# Altium PCB Thermostat_8CH.PCBDOC (part 10 of 10)
Units mil, origin at the board's own origin, x right, y up, seen from the top; angles counter-clockwise.
Board outline 8409.08 x 3937.01 mil, 4 copper layers (TOP, G1, L2, BOT), stack 61.024 mil thick; 941 components, 513 nets, 2912 pads, 1409 vias.
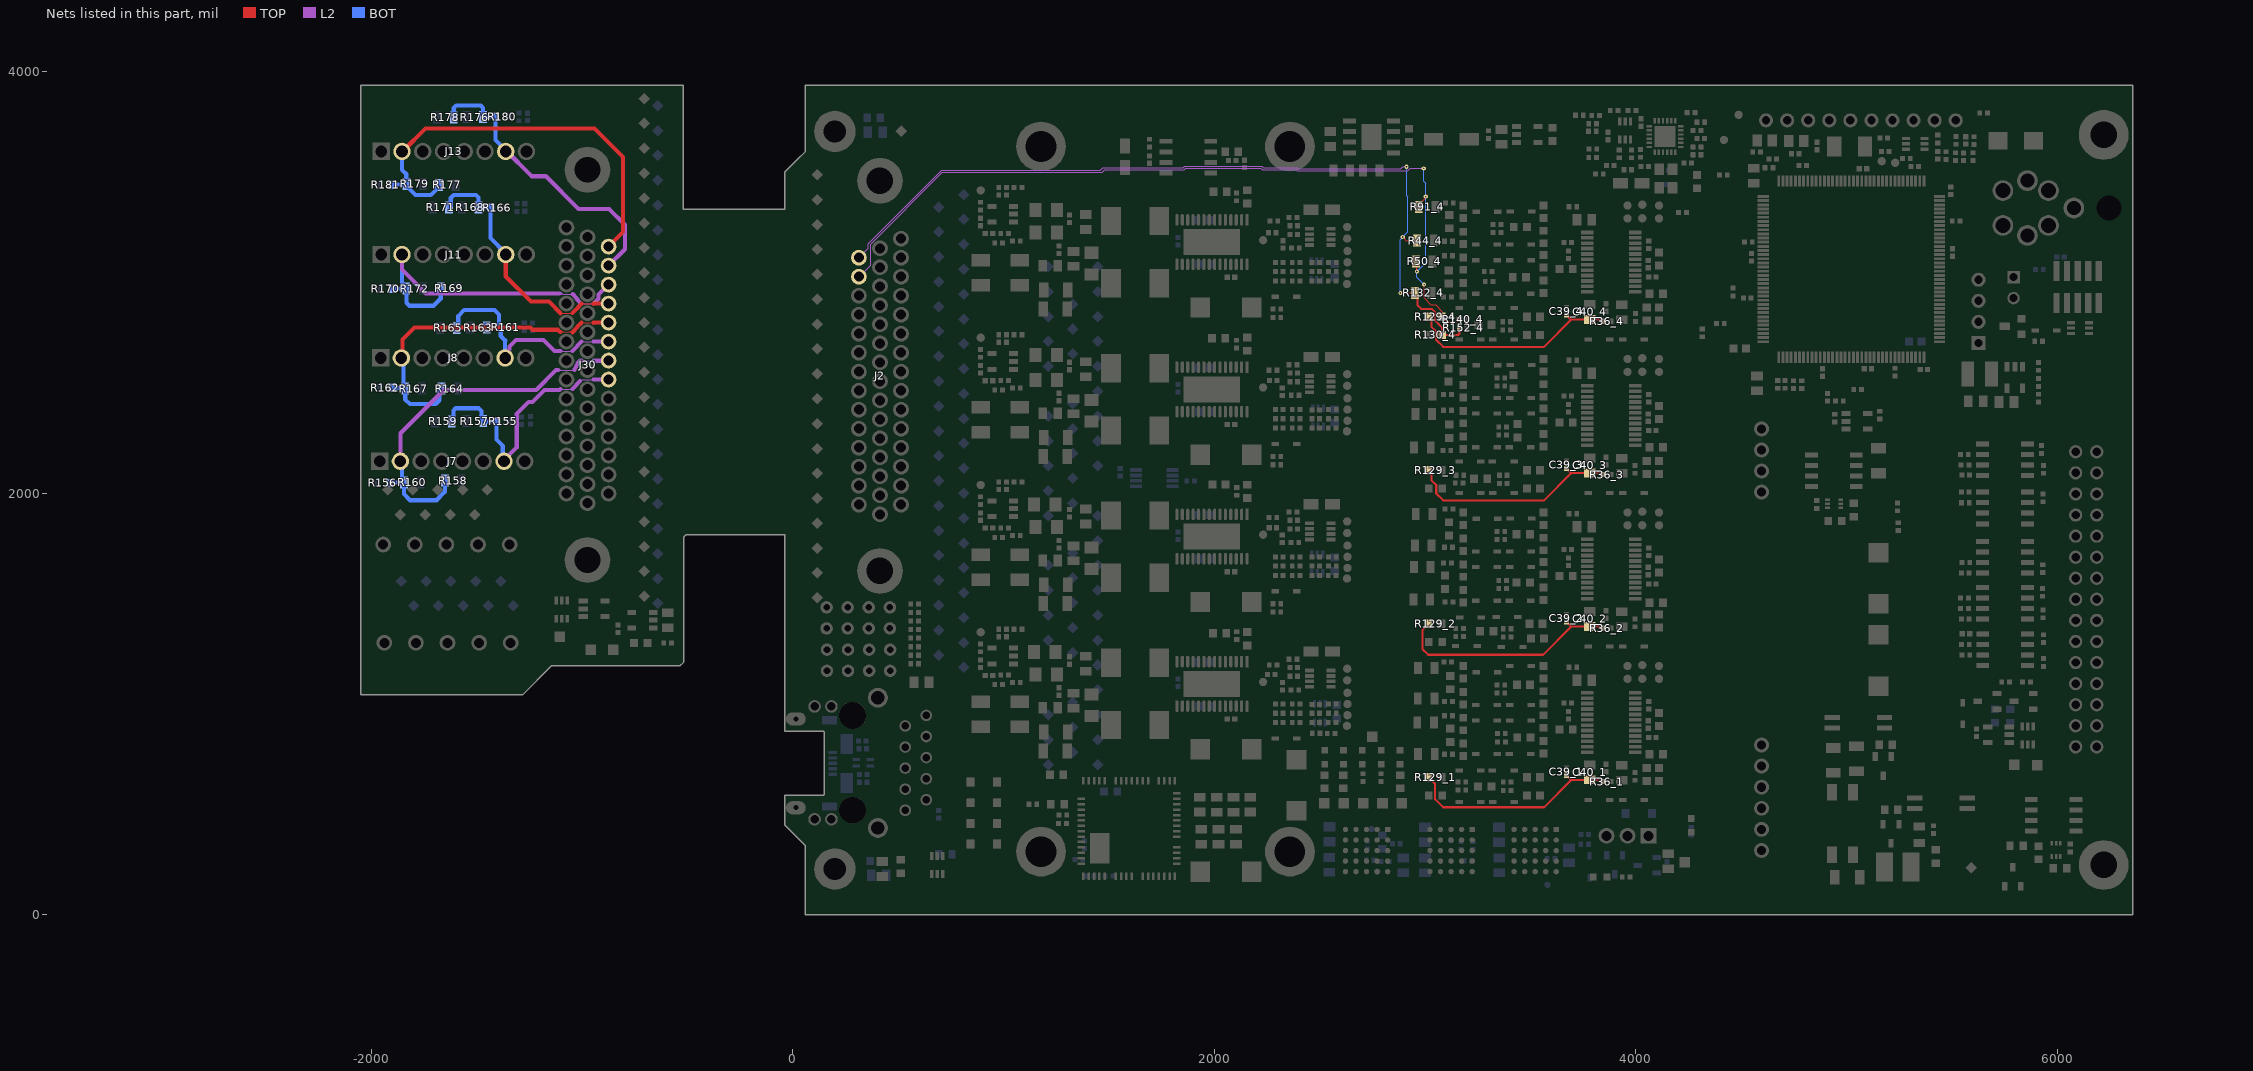
[diagram p12: the nets of this part, all layers, seen from the top]

## Via types
v1: diameter 19.68, hole 7.87, TOP to BOT, tented both sides, 1030 vias
v2: diameter 27.56, hole 15.75, TOP to BOT, tented both sides, 191 vias
v3: diameter 23.62, hole 11.81, TOP to BOT, tented both sides, 97 vias
v4: diameter 23.62, hole 11.81, TOP to BOT, 81 vias
v5: diameter 25.98, hole 12.99, TOP to BOT, tented both sides, 10 vias

## Nets (pads, with @x,y where several pads share a name; then routed paths per layer and width w, separated by ;. In a path a pad name is that pad's centre, name@x,y a point inside that pad or via, vN(x,y) a via of type N, cw(c..) or ccw(c..) an arc to the next point about the centre after c; other vN are vias at no path point) (continued)
Vref3+: J2.43 R50_4.2 R91_4.2 R129_4.1 R140_4.1 | length 3987.5
  TOP w5: R50_4.2@2955.94,3100.15 2961.14,3094.96 v1(2961.14,3052.14) ; 2963.82,3070.35 R50_4.2@2963.82,3100.15 ; R91_4.2@2970.12,3359.6 2970.12,3369.44 3000.19,3399.51 3000.19,3405.19 v1(3003,3408) ; v1(2995.31,2990.44) 2995.31,2927.5 3027.97,2894.85 3049.98,2894.85 3079.82,2865 3079.82,2835.85 3101.48,2814.2 3150.16,2814.2 3160.2,2824.23 R140_4.1@3160.2,2825.02
  L2 w5: J2.43@313,3027.84 368.1,3082.94 368.1,3181.01 709.73,3522.64 1468.54,3522.64 1480.47,3534.56 1857.22,3534.56 1864.43,3541.77 2220.63,3541.77 2227.84,3534.56 2389.18,3534.56 2393.86,3529.88 2916.75,3529.88 2928.96,3542.09 v1(2993.43,3542.09)
  BOT w5: v1(2993.43,3542.09) 2993.43,3479.91 3003,3470.33 3003,3413.4 v1@2998.57,3408.97 ; v1(2995.31,2990.44) 2961.14,3024.61 v1(2961.14,3052.14) 3003,3094 v1(3003,3408)
Vref3-: J2.44 R44_4.2 R130_4.1 R132_4.2 R152_4.1 | length 3961.8
  TOP w5: v1(2882.63,2950.57) R132_4.2@2951.31,2950.62 ; v1(2893.73,3216.53) 2911.54,3198.72 R44_4.2@2970.28,3198.72
  TOP w10: R132_4.2@2951.31,2950.62 2963.16,2938.77 2963.16,2893.78 2981.56,2875.38 3030.81,2875.38 3047.76,2858.43 3047.76,2818.34 3063.98,2802.11 3064.56,2802.11 3080.78,2785.89 R130_4.1@3080.78,2751.2 3156.16,2751.2 3162.29,2757.33 R152_4.1@3162.29,2784.53
  L2 w5: J2.44@313,3118 358.1,3163.1 358.1,3185.15 705.59,3532.64 1459.04,3532.64 1470.97,3544.56 1853.08,3544.56 1860.28,3551.77 2224.77,3551.77 2231.98,3544.56 2393.32,3544.56 2398.01,3539.88 2883.33,3539.88 2892.85,3549.41 v1(2911.75,3549.41)
  BOT w5: v1(2882.63,2950.57) 2882.63,3203.1 2893.73,3214.2 v1(2893.73,3216.53) 2917.34,3240.14 2917.34,3406.18 2911.75,3411.77 v1(2911.75,3549.41)
VREF_5V0_1: C39_1.1 C40_1.1 R36_1.1 R129_1.2 | length 1020
  TOP w10: R129_1.2@3016.83,652.78 3016.83,650.81 3047.36,620.28 3047.36,548.04 3085.4,510 3564.84,510 3692.5,637.67 3692.5,639.98 ; C39_1.1@3670.85,661.64 3692.5,639.98 ; R36_1.1@3844.51,631.71 3844.51,632.5 3837.02,639.98 3692.5,639.98
VREF_5V0_2: C39_2.1 C40_2.1 R36_2.1 R129_2.2 | length 1092.6
  TOP w10: R129_2.2@3016.83,1381.12 3016.83,1379.16 2987.23,1349.55 2987.23,1260.76 3014.15,1233.84 3560.34,1233.84 3692.5,1366.01 3692.5,1368.33 ; C39_2.1@3670.85,1389.98 3692.5,1368.33 ; R36_2.1@3844.51,1360.06 3844.51,1360.85 3837.02,1368.33 3692.5,1368.33
VREF_5V0_3: C39_3.1 C40_3.1 R36_3.1 R129_3.2 | length 1020.9
  TOP w10: R129_3.2@3016.17,2110.13 3029.55,2096.75 3029.55,2062.64 3053.07,2039.13 3053.07,1999.03 3085.4,1966.69 3564.84,1966.69 3692.5,2094.36 3692.5,2096.68 ; C39_3.1@3670.85,2118.33 3692.5,2096.68 ; R36_3.1@3844.51,2088.41 3844.51,2089.19 3837.02,2096.68 3692.5,2096.68
VREF_5V0_4: C39_4.1 C40_4.1 R36_4.1 R129_4.2 | length 1020
  TOP w10: R129_4.2@3016.83,2837.82 3029.55,2825.1 3029.55,2790.99 3053.07,2767.47 3053.07,2727.38 3085.4,2695.04 3564.84,2695.04 3692.5,2822.71 3692.5,2825.02 ; C39_4.1@3670.85,2846.67 3692.5,2825.02 ; R36_4.1@3844.51,2816.75 3844.51,2817.54 3837.02,2825.02 3692.5,2825.02
Vrefb0+: J7.7 J30.37 R155.1 R157.2 R159.2 | length 1259.4
  L2 w5: -1102.72,2494.56 -1046.5,2494.56 ; -1009.94,2532.71 -1002.98,2539.67 -981.26,2539.67 ccw(c-974.82,2584.1) -968.37,2539.67 -946.92,2539.67
  L2 w19.68: J7.7@-1371,2157.96 -1310.93,2218.03 -1310.93,2377.02 -1253.94,2434.01 -1236.3,2434.01 -1179.31,2491 -1107.24,2491 -1103.19,2495.04 ; -1046.5,2494.56 -1046.06,2494.56 -1027.06,2513.56 -1027.06,2515.58 -1009.94,2532.71 ; -946.92,2539.93 -946.68,2539.69 -891.7,2539.69 J30.37@-874.82,2539.69
  BOT w19.68: R159.2@-1619,2341 -1610.14,2349.86 -1610.14,2393.65 -1600,2403.79 -1492.13,2403.79 -1478.49,2390.15 -1478.49,2350.86 R157.2@-1469.63,2342 -1469.13,2341.5 -1407,2341.5 R155.1@-1406.5,2341 -1406.5,2254.59 -1376.79,2224.89 -1376.79,2163.75 J7.7@-1371,2157.96
Vrefb0-: J7.2 J30.38 R156.2 R158.2 R160.2 | length 1807.1
  L2 w5: -1114.02,2584.77 -1037.03,2584.77 ; -1027.06,2600.25 -1021.55,2600.25 ; -1001.94,2629 -976.83,2628.96 -976.76,2628.96 cw(c-974.82,2584.1) -972.74,2628.96 -972.67,2628.96 -970.64,2628.95 -946.28,2628.92 -946.01,2629.18 ; J30.38@-875.49,2628.92 J30.38@-855.53,2628.92
  L2 w19.68: J7.2@-1863.13,2157.96 -1863.13,2284.87 -1657,2491 -1218.19,2491 -1124.42,2584.77 -1114.02,2584.77 ; -1037.03,2584.77 -1037.03,2590.28 -1027.06,2600.25 ; -1029.38,2602.57 -1021.55,2610.39 -1021.55,2618.24 -1010.79,2629 -1001.94,2629 ; -946.01,2629.18 -875.49,2629.18 J30.38@-874.82,2629.85
  BOT w19.68: R156.2@-1914.5,2049 -1913,2050.5 -1847.87,2050.5 R160.2@-1846.37,2052 ; J7.2@-1863.13,2157.96 -1854.75,2149.58 -1854.75,2060.38 R160.2@-1846.37,2052 ; R158.2@-1651.37,2060 -1651.37,2007.63 -1692,1967 -1817.11,1967 -1846.37,1996.26 R160.2@-1846.37,2052
Vrefb1+: J8.7 J30.39 R161.1 R163.2 R165.2 | length 1146.1
  L2 w5: -1102.39,2674.75 -1056.57,2674.75 -1055.52,2675.81 -1046.67,2675.81 ; -1001.94,2720.01 -1001.1,2719.16 -946.92,2719.16
  L2 w19.68: -946.92,2720.01 J30.39@-874.82,2720.01
  L2 w20: J8.7@-1366.05,2648.15 -1366.05,2662.98 -1344.43,2684.6 -1344.43,2696.85 -1314.28,2727 -1184.29,2727 -1132.04,2674.75 -1102.39,2674.75 ; -1046.67,2675.81 -1045.79,2674.93 -1022.42,2698.3 -1022.42,2700.81 -1008.15,2715.08 ; -1008.1,2715.08 -1003.18,2720.01
  BOT w19.68: R165.2@-1600,2780 -1588,2792 -1588,2842 -1560,2870 -1417,2870 -1394.5,2847.5 R161.1@-1394.5,2789 ; R163.2@-1458,2802 -1458,2801.1 -1444.4,2787.5 -1396,2787.5 R161.1@-1394.5,2789 ; J8.7@-1366.05,2648.15 -1366.05,2726.05 ; -1365,2725 -1366.05,2726.05 ; R161.1@-1394.5,2789 -1386.62,2781.13 -1386.62,2746.62 -1366.05,2726.05
Vrefb1-: J8.2 J30.40 R162.2 R164.2 R167.2 | length 1633.5
  TOP w5: -1104.38,2765.85 -1082.04,2765.85 ccw(c-1074.82,2810.17) -1067.59,2765.85 -1046.67,2765.85 ; -1004.02,2809.32 -946.19,2809.32
  TOP w19.68: J8.2@-1858.17,2648.15 -1853,2653.32 -1853,2730 -1796,2787 -1245.75,2787 -1234.59,2775.83 -1114.37,2775.83 -1104.38,2765.85 ; -946.19,2809.32 -945.34,2810.17 J30.40@-874.82,2810.17
  TOP w20: -1046.67,2765.85 -1046.67,2764.21 -1022.42,2788.46 -1022.42,2790.93 -1004.02,2809.32 -1002.97,2810.38
  BOT w19.68: R162.2@-1902.5,2501 -1900.5,2499 R167.2@-1842,2499 ; J8.2@-1859,2652 -1848.86,2641.86 -1848.86,2505.86 R167.2@-1842,2499 ; R164.2@-1671,2498 -1676.6,2492.4 -1676.6,2441.4 -1695,2423 -1818,2423 -1840,2445 R167.2@-1840,2497 R167.2@-1842,2499
Vrefb2+: J11.7 J30.41 R166.1 R168.2 R171.2 | length 1224.7
  TOP w5: -1093.42,2855.42 -1046.92,2855.42 ; -998.43,2894.46 -993.06,2899.83 -945.83,2899.83
  TOP w19.68: J11.7@-1363.09,3139.06 -1363.09,3030.09 -1242.67,2909.67 -1158.05,2909.67 -1102.72,2854.34 ; -1046.92,2855.42 -1045.83,2855.42 -1020.46,2880.8 -1020.46,2882.82 -1002.72,2900.56 -1002.72,2898.75 ; -946.92,2898.75 -945.83,2899.83 -945.34,2900.32 J30.41@-874.82,2900.32
  BOT w19.68: R171.2@-1632.63,3357 -1623.77,3365.86 -1623.77,3401.86 -1609.63,3416 -1504.16,3416 -1492.63,3404.47 R168.2@-1492.63,3357 -1492.13,3356.5 -1435.5,3356.5 R166.1@-1435,3356 -1435,3210.96 J11.7@-1363.09,3139.06
Vrefb2-: J11.2 J30.42 R169.2 R170.2 R172.2 | length 1730.8
  TOP w19.68: J30.42@-874.82,2990.48 J30.42@-874.82,3005.4
  L2 w5: -1106.68,2948.46 -1096.3,2948.46 -1093.42,2945.58 -1045.84,2945.58 -1045.12,2944.86 ; -1005.15,2900.95 -994.54,2900.95 -993.42,2899.83 -946.5,2899.83 -946.01,2900.32
  L2 w19.68: J11.2@-1855.22,3139.06 -1855.22,3061.22 -1742.46,2948.46 -1106.68,2948.46
  L2 w20: -1045.12,2944.86 -1027.22,2926.95 -1027.22,2923.03 -1005.15,2900.95 ; -946.01,2900.32 -945.12,2900.32 -922.42,2923.03 -922.42,2942.76 -874.82,2990.36 J30.42@-874.82,2990.48
  BOT w19.68: R170.2@-1900.5,2971 R172.2@-1835,2971 ; J11.2@-1855.22,3139.06 -1855.22,3001.06 -1835,2980.84 R172.2@-1835,2971 ; R169.2@-1671.37,2972 -1671.37,2923.95 -1705.32,2890 -1819,2890 -1833.37,2904.37 -1833.37,2969.37 R172.2@-1835,2971
Vrefb3+: J13.7 J30.43 R176.2 R178.2 R180.1 | length 1429.8
  TOP w5: J13.7@-1363.05,3628.09 J13.7@-1355.99,3628.09 ; J30.43@-874.82,3080.64 J30.43@-874.82,3088.55
  L2 w20: J13.7@-1363.05,3628.09 -1239.96,3505 -1173,3505 -1017.17,3349.17 -872.17,3349.17 -797.38,3274.38 -797.38,3158.08 J30.43@-874.82,3080.64
  BOT w19.68: R178.2@-1609.63,3784 -1609.63,3828.47 -1598.1,3840 -1481.53,3840 -1470,3828.47 R176.2@-1470,3785 -1468.5,3786.5 -1413,3786.5 R180.1@-1411.5,3788 -1411.5,3676.54 J13.7@-1363.05,3628.09
Vrefb3-: J13.2 J30.44 R177.2 R179.2 R181.2 | length 2045.6
  TOP w19.68: J13.2@-1855.17,3628.09 -1846.91,3628.09 -1744.32,3730.68 -941.38,3730.68 -806,3595.3 -806,3239.61 J30.44@-874.82,3170.8
  BOT w19.68: R181.2@-1901.5,3464 -1899.5,3466 -1835.37,3466 R179.2@-1833.37,3468 ; J13.2@-1855.17,3628.09 -1855.17,3535.17 -1835,3515 -1835,3469.63 R179.2@-1833.37,3468 ; R177.2@-1680.37,3464 -1680.37,3454.16 -1718.53,3416 -1791.21,3416 -1833.37,3458.16 R179.2@-1833.37,3468
pads on no net: D3.1 D3.6 D21.6 D27.1 D27.6 D36.1 D36.3 FTG1.1 FTG2.1 FTG3.1 FTG4.1 IC2.5 IC3.4 IC3.5 IC3.6 IC3.9 IC7_1.9 IC7_2.9 IC7_3.9 IC7_4.9 IC9.49 IC9.115 IC12.4 IC15.46 IC15.47 IC15.52 IC15.53 IC15.54 IC15.55 IC15.58 IC16.1 IC16.3 IC16.5 IC16.8 IC18.4 IC18.7 IC28.5 IC29.3 IC29.4 IC29.6 IC30.5 IC30.6 IC33.4 IC34.A5 IC36.3 IC36.5 IC36.6 IC37.B2 IC37.B5 IC39.3 IC39.4 IC39.6 J4.2 J5.5 J10.MH1 J10.MH2 J21.7 J21.9 S1. S1.1 S2. S2.1 S3. S3.1 S4. S4.1

## Polygon pours and split planes (outlines as drawn)
P5V0 on TOP "TOP-P5V0" (solid, remove dead copper, pour order 81): 2924.18,331.94 3158.24,331.25 3158.24,418.95 3275.42,418.95 3276.96,417.55 3276.96,332.07 3549.81,331.28 3549.81,467.59 2750.97,467.59 2749.56,469 2518,469 2472.96,514.04 2472.96,576.55 2382.36,667.15 2342.52,667.15 2342.52,698.82 1722.44,698.82 1722.44,585.25 1803.07,585.25 1803.07,350.39 1875.98,350.39 1889.76,364.17 1889.76,512.8 1898.62,521.65 2234.25,521.65 2234.25,492.13 2300.83,425.55 2410.59,425.55 2501.77,334.36 2749.56,333.64 2749.56,418.95 2883.84,418.95 2924.18,376.48
P3V3 on TOP "O8_Vs2" (solid, remove dead copper, pour order 53): 4477.28,3643.7 4477.28,2562.75 4560.63,2479.39 5427.96,2479.39 5501.75,2405.61 5617.98,2405.61 5638.46,2426.08 5638.46,2620.47 5690.41,2672.42 6025.6,2672.42 6097,2743.82 6097,3057.27 6021.65,3132.62 5718.44,3132.62 5624.64,3226.42 5624.64,3796.3 5577.15,3843.8 4549.07,3843.8 4471.46,3766.19 4471.46,3642.91
P12V0_IN on TOP "TOP-P12V0_IN" (solid, remove dead copper, pour order 51): 4936.08,2023.35 4956.04,2003.39 5090.95,2003.39 5121.49,2033.93 5255.5,2033.93 5256.89,2035.32 5267.65,2024.55 5267.65,872.56 5345,795.21 5726.83,413.39 5946.92,413.39 5974.37,440.84 5974.37,541.63 5850.5,665.5 5740.13,665.5 5520.58,885.05 5520.58,2196.79 5568.79,2245 6054.15,2245 6358.27,2549.11 6358.27,3544.73 6103.79,3799.21 5710.21,3799.21 5650.73,3739.73 5650.73,3242.56 5733.11,3160.18 6169.29,3160.18 6212.7,3116.77 6212.7,2646.02 5956.08,2389.4 5285.21,2389.4 5245.43,2349.62 5245.42,2171.8 4966.01,2173.52 4936.08,2143.58
P12V0_POE on TOP "O8_Vs2" (solid, remove dead copper, pour order 48): 5258.04,2020 5259.03,1243 4561.56,1243 4561.56,2204.74 4606.84,2250.01 4868.27,2250.01 4909.86,2208.43 4909.86,1920.93 4975.41,1855.38 5045.88,1855.38 5071.96,1881.46 5071.96,1959.35 5132.61,2020
P12V0 on TOP "O8_Vs2" (solid, remove dead copper, pour order 55): 4279.02,204 4279.02,2283.75 4449.27,2454 4822.7,2454 4972.34,2304.36 5192.72,2304.36 5224.59,2272.49 5224.59,2198.49 5210.38,2184.29 4947.56,2184.29 4794.68,2337.16 4594.69,2337.16 4552.63,2295.11 4552.63,999.29 4449.27,895.93 4449.27,167.27 4380.42,98.42 4292.32,98.42 4271.65,119.09 4271.65,196.64
PN_3 on TOP "O8_Vs2" (solid, remove dead copper, pour order 30): 1215.46,2342.68 1215.46,2542.12 1194.52,2563.06 1194.52,2726.42 1186.93,2734.01 1088.7,2734.01 1078.16,2723.47 1078.16,2518.34 1013.46,2453.64 1013.46,2340.12
PN_4 on TOP "O8_Vs2" (solid, remove dead copper, pour order 23): 1215.46,3041.5 1215.46,3240.94 1194.52,3261.88 1194.52,3425.23 1186.93,3432.83 1088.7,3432.83 1078.16,3422.28 1078.16,3217.16 1013.46,3152.45 1013.46,3038.94
SW1_3 on TOP "O8_Vs2" (solid, remove dead copper, pour order 26): 1790.21,2443.72 1803.07,2430.86 1803.07,2423.76 1806.24,2426.92 2026.86,2426.92 2052.44,2401.33 2052.44,2264.91 2021.54,2234.01 1816.61,2234.01 1765.43,2182.83 1673.37,2182.83 1653.68,2202.51 1653.68,2413.48 1683.92,2443.72
SW2_3 on TOP "O8_Vs2" (solid, remove dead copper, pour order 25): 1790.79,2454.93 1803.07,2467.21 1803.07,2640.44 1817.9,2655.27 1886.81,2655.27 1898.9,2643.18 1898.9,2556.3 2048.76,2556.3 2052.44,2552.62 2052.44,2674.95 1993.39,2734.01 1700.47,2734.01 1658.69,2692.23 1658.68,2484.03 1687.79,2454.93
SW2_1 on TOP "O8_Vs2" (solid, remove dead copper, pour order 39): 1790.79,1057.29 1803.07,1069.57 1803.07,1242.8 1817.9,1257.63 1886.81,1257.63 1898.9,1245.54 1898.9,1158.66 2048.76,1158.66 2052.44,1154.98 2052.44,1277.32 1993.39,1336.37 1700.47,1336.37 1658.69,1294.59 1658.68,1086.39 1687.79,1057.29
SW2_2 on TOP "O8_Vs2" (solid, remove dead copper, pour order 32): 1790.79,1756.11 1803.07,1768.39 1803.07,1941.62 1817.9,1956.45 1886.81,1956.45 1898.9,1944.36 1898.9,1857.48 2048.76,1857.48 2052.44,1853.8 2052.44,1976.13 1993.39,2035.19 1700.47,2035.19 1658.69,1993.41 1658.68,1785.21 1687.79,1756.11
SW2_4 on TOP "O8_Vs2" (solid, remove dead copper, pour order 0): 1790.79,3153.74 1803.07,3166.03 1803.07,3339.26 1817.9,3354.09 1886.81,3354.09 1898.9,3342 1898.9,3255.12 2048.76,3255.12 2052.44,3251.44 2052.44,3373.77 1993.39,3432.83 1700.47,3432.83 1658.69,3391.05 1658.68,3182.85 1687.79,3153.74
SW1_4 on TOP "O8_Vs2" (solid, remove dead copper, pour order 1): 1790.21,3142.54 1803.07,3129.68 1803.07,3122.58 1806.24,3125.74 2026.86,3125.74 2052.44,3100.15 2052.44,2963.73 2021.54,2932.83 1816.61,2932.83 1765.43,2881.65 1673.37,2881.65 1653.68,2901.33 1653.68,3112.3 1683.92,3142.54
P12V0_EEM on TOP "O8_Vs2" (solid, remove dead copper, pour order 47): 6007,356 6260,356 6339,435 6339,896 6283,952 6070,952 6005.4,887.4 6005.4,358.6 6007,357
SW1_1 on TOP "O8_Vs2" (solid, remove dead copper, pour order 40): 1790.21,1046.08 1803.07,1033.22 1803.07,1026.12 1806.24,1029.28 2026.86,1029.28 2052.44,1003.7 2052.44,867.28 2021.54,836.37 1816.61,836.37 1765.43,785.19 1673.37,785.19 1653.68,804.88 1653.68,1015.84 1683.92,1046.08
PNS_3 on TOP "O8_Vs2" (solid, remove dead copper, pour order 29): 1331.69,2557.9 1331.69,2531.55 1367.04,2518.99 1368.68,2400.92 1569.22,2400.92 1603.35,2435.04 1603.35,2664.15 1533.48,2734.01 1201.43,2734.01 1201.43,2556.15 1213.69,2555.9 1213.69,2557.9
SW1_2 on TOP "O8_Vs2" (solid, remove dead copper, pour order 33): 1790.21,1744.9 1803.07,1732.04 1803.07,1724.94 1806.24,1728.1 2026.86,1728.1 2052.44,1702.52 2052.44,1566.09 2021.54,1535.19 1816.61,1535.19 1765.43,1484.01 1673.37,1484.01 1653.68,1503.69 1653.68,1714.66 1683.92,1744.9
PNS_4 on TOP "O8_Vs2" (solid, remove dead copper, pour order 4): 1331.69,3256.72 1331.69,3230.37 1367.04,3217.81 1368.68,3099.73 1569.22,3099.74 1603.35,3133.86 1603.35,3362.97 1533.48,3432.83 1201.43,3432.83 1201.43,3254.97 1213.69,3254.72 1213.69,3256.72
PPS_2 on TOP "O8_Vs2" (solid, remove dead copper, pour order 34): 1013.46,1636.43 1155.93,1636.43 1174.65,1617.71 1231.27,1617.71 1231.27,1417.08 1013.46,1417.08
GND on TOP "O8_Vs2" (solid, remove dead copper, pour order 45): 1226.38,1172.23 1229.94,1175.79 1401.99,1175.79 1401.99,1134.31 1364.19,1134.31 1358.27,1128.39 1358.27,1029.28 1296.89,1029.28 1262.95,1063.23 1215.46,1063.23 1215.46,1159.47 1228.22,1172.23
PN_1 on TOP "O8_Vs2" (solid, remove dead copper, pour order 44): 1215.46,945.04 1215.46,1144.49 1194.52,1165.42 1194.52,1328.78 1186.93,1336.37 1088.7,1336.37 1078.16,1325.83 1078.16,1120.7 1013.46,1056 1013.46,942.48
PNS_1 on TOP "O8_Vs2" (solid, remove dead copper, pour order 43): 1331.69,1160.26 1331.69,1133.91 1367.04,1121.35 1368.68,1003.28 1569.22,1003.28 1603.35,1037.4 1603.35,1266.51 1533.48,1336.37 1201.43,1336.37 1201.43,1158.51 1213.69,1158.27 1213.69,1160.26
PP_1 on TOP "O8_Vs2" (solid, remove dead copper, pour order 42): 1258.72,718.26 1258.72,918.89 1221.46,918.89 1221.46,1046.08 1304.97,1046.08 1304.98,993.85 1561.69,993.85 1603.35,952.2 1603.35,747.69 1573.91,718.26
PPS_1 on TOP "O8_Vs2" (solid, remove dead copper, pour order 41): 1014.76,937.61 1155.93,937.61 1174.65,918.89 1231.27,918.89 1231.27,718.26 1014.76,718.26
GND on TOP "O8_Vs2" (solid, remove dead copper, pour order 38): 1226.38,1871.05 1229.94,1874.61 1401.99,1874.61 1401.99,1833.13 1364.19,1833.13 1358.27,1827.21 1358.27,1728.1 1296.89,1728.1 1262.95,1762.05 1215.46,1762.05 1215.46,1858.28 1228.22,1871.05
PN_2 on TOP "O8_Vs2" (solid, remove dead copper, pour order 37): 1215.46,1643.86 1215.46,1843.3 1194.52,1864.24 1194.52,2027.6 1186.93,2035.19 1088.7,2035.19 1078.16,2024.65 1078.16,1819.52 1013.46,1754.82 1013.46,1641.3
PNS_2 on TOP "O8_Vs2" (solid, remove dead copper, pour order 36): 1331.69,1859.08 1331.69,1832.73 1367.04,1820.17 1368.68,1702.1 1569.22,1702.1 1603.35,1736.22 1603.35,1965.33 1533.48,2035.19 1201.43,2035.19 1201.43,1857.33 1213.69,1857.08 1213.69,1859.08
PP_2 on TOP "O8_Vs2" (solid, remove dead copper, pour order 35): 1258.72,1417.08 1258.72,1617.71 1221.46,1617.71 1221.46,1744.9 1304.97,1744.9 1304.98,1692.67 1561.69,1692.67 1603.35,1651.02 1603.35,1446.51 1573.91,1417.08
GND on TOP "O8_Vs2" (solid, remove dead copper, pour order 31): 1226.38,2569.87 1229.94,2573.43 1401.99,2573.43 1401.99,2531.95 1364.19,2531.95 1358.27,2526.03 1358.27,2426.92 1296.89,2426.92 1262.95,2460.86 1215.46,2460.86 1215.46,2557.1 1228.22,2569.87
PP_3 on TOP "O8_Vs2" (solid, remove dead copper, pour order 28): 1258.72,2115.9 1258.72,2316.53 1221.46,2316.53 1221.46,2443.72 1304.97,2443.72 1304.98,2391.49 1561.69,2391.49 1603.35,2349.83 1603.35,2145.33 1573.91,2115.9
PPS_3 on TOP "O8_Vs2" (solid, remove dead copper, pour order 27): 1013.46,2335.25 1155.93,2335.25 1174.65,2316.53 1231.27,2316.53 1231.27,2115.9 1013.46,2115.9
GND on TOP "O8_Vs2" (solid, remove dead copper, pour order 24): 1226.38,3268.69 1229.94,3272.25 1401.99,3272.25 1401.99,3230.77 1364.19,3230.77 1358.27,3224.84 1358.27,3125.74 1296.89,3125.74 1262.95,3159.68 1215.46,3159.68 1215.46,3255.92 1228.22,3268.69
PP_4 on TOP "O8_Vs2" (solid, remove dead copper, pour order 3): 1258.72,2814.72 1258.72,3015.35 1221.46,3015.35 1221.46,3142.54 1304.97,3142.54 1304.98,3090.31 1561.69,3090.31 1603.35,3048.65 1603.35,2844.15 1573.91,2814.72
PPS_4 on TOP "O8_Vs2" (solid, remove dead copper, pour order 2): 1013.46,3034.07 1155.93,3034.07 1174.65,3015.35 1231.27,3015.35 1231.27,2814.72 1013.46,2814.72
P12V0 on TOP "O8_Vs2" (solid, remove dead copper, pour order 22): 1633.86,236.22 1633.86,118.11 1665.35,86.61 2003.94,86.61 2066.93,149.61 2066.93,244.09 2106.3,283.46 2149.61,283.46 2149.61,287.4 2169.29,307.09 2169.29,362.2 2157.48,374.02 1909.45,374.02 1877.95,342.52 1791.34,342.52 1783.46,334.65 1783.46,275.59 1759.84,251.97 1649.61,251.97
GND on TOP "O8_Vs2" (solid, remove dead copper, pour order 21): 1893.7,362.2 1893.7,511.81 1901.57,519.69 2212.6,519.69 2224.41,507.87 2224.41,464.57 2161.42,401.57 2161.42,389.76 2149.61,377.95 1917.32,377.95 1901.57,362.2
GND on BOT "GND_L04_P071" (solid, pour order 71): 3295.39,359.79 3295.39,250.2 3522.36,250.2 3522.36,361.51
P5V0 on BOT "BOT-P5V0" (solid, remove dead copper, pour order 79): 3276.96,366.66 3510.34,366.66 3510.34,474.31 3394.95,474.31 3347.61,521.65 2995.87,521.65 2799.26,718.26 2276.68,718.26 2276.68,3273.6 2147.47,3402.81 1713.75,3402.81 1665.35,3354.41 1665.35,726.38 1879.92,511.81 2150.59,511.81 2236.22,426.18 2651.33,426.18 2675.36,402.15 2675.36,374.16 3276.96,374.16
GND on BOT "GND_L04_P065" (solid, pour order 65): 2488.21,363.97 2488.21,252.43 2701.63,252.43 2701.63,365.58
P5V0 on BOT "P5V0_L04_P064" (solid, pour order 64): 2722.45,458.66 2468.44,458.66 2468.44,367.6 2722.45,367.6 2722.45,398.72
P12V0 on BOT "P12V0_L04_P072" (solid, pour order 72): 3534.25,153.29 3314.78,153.29 3314.78,243.78 3534.25,243.78
P12V0 on BOT "P12V0_L04_P066" (solid, pour order 66): 2718.14,155.51 2468.44,155.51 2468.44,246.01 2718.14,246.01
P5V0 on BOT "P5V0_L04_P061" (solid, pour order 61): 3171.52,474.31 2923.54,474.31 2923.54,366.66 3171.52,366.66 3171.52,396.49
GND on BOT "GND_L04_P062" (solid, pour order 62): 2871.69,359.55 2871.69,250.2 3150.7,250.2 3150.7,361.66
P12V0 on BOT "P12V0_L04_P063" (solid, pour order 63): 3167.21,153.29 2880.54,153.29 2880.54,243.78 3167.21,243.78
AVDDT_PHY on BOT "O8_Vs2" (solid, remove dead copper, pour order 56): 4033.85,3823 4103.14,3753.71 4103.14,3518.88 4046.26,3462 3770,3462 3698,3534 3698,3717.2 3761.21,3780.41 3833.8,3780.41 3876.39,3823
P3V3IO on BOT "O8_Vs2" (solid, remove dead copper, pour order 57): 3601.18,1146.05 3695.27,1146.05 3720.47,1171.26 3720.47,3464.94 3683,3502.42 3683,3728.71 3654.12,3757.6 3599.6,3757.6 3579.86,3737.86 3579.86,1167.37
P5V0A on BOT "O8_Vs2" (solid, remove dead copper, pour order 58): 3562.99,3500.92 3562.99,538.45 3526.51,501.97 3460.18,501.97 3432.31,529.84 3432.31,3482.68 3450.54,3500.92
P12V0 on L2 "O8_Vs2" (solid, remove dead copper, pour order 54): 1961.02,285.43 1961.02,144.72 2003.39,102.35 4449.6,102.35 4449.6,193.52 4357.68,285.43 2209.57,285.43 2179.85,315.16 1990.75,315.16
P3V3 on L2 "O8_Vs2" (solid, remove dead copper, pour order 52): 5526.84,1077 5526.84,2363.05 5407.26,2482.63 4542.37,2482.63 4492.81,2532.19 4492.81,2612.71 4597.78,2717.68 5210.95,2717.68 5318.04,2824.76 5318.04,3423.25 5296.69,3444.6 4250.4,3444.6 4166.35,3528.65 3386.35,3528.65 3359,3556 3359,3641.67 3355,3645.67 3476.54,3767.21 4509.04,3767.21 4600.1,3858.27 5868.94,3858.27 6233,3494.21 6233,1165 6078.89,1010.89 5561.96,1010.89 5528,1044.85 5528,1077
GND on G1 (split plane): 6337.96,20.1 5236.63,20.1 5236.63,452.76 5236.25,456.68 5235.1,460.45 5233.25,463.92 5230.75,466.97 5216.95,480.77 5216.95,531.5 5216.56,535.42 5215.42,539.19 5213.56,542.66 5211.06,545.71 5171.69,585.08 5168.65,587.58 5165.17,589.43 5161.4,590.58 5157.48,590.96 5059.06,590.96 5055.13,590.58 5051.36,589.43 5047.89,587.58 5044.84,585.08 4966.1,506.34 4963.61,503.29 4961.75,499.82 4960.6,496.05 4960.22,492.13 4960.22,185.49 4893.25,118.52 1091,118.52 1083.09,126.43 1083.09,306.64 1096.89,320.44 1099.39,323.48 1101.24,326.95 1102.39,330.73 1102.77,334.65 1102.77,570.87 1102.39,574.79 1101.24,578.56 1099.39,582.03 1096.89,585.08 1037.83,644.13 1034.79,646.63 1031.31,648.49 1027.54,649.63 1023.62,650.02 944.88,650.02 940.96,649.63 937.19,648.49 933.72,646.63 930.67,644.13 910.99,624.45 908.49,621.4 906.63,617.93 905.49,614.16 905.1,610.24 905.1,20.1 79.15,20.1 79.15,327.55 78.77,331.47 77.62,335.24 75.76,338.71 73.27,341.76 -18.85,433.87 -18.85,546.83 145.67,546.83 149.59,547.22 153.36,548.36 156.83,550.22 159.88,552.72 163.82,556.66 166.32,559.7 168.17,563.18 169.32,566.95 169.7,570.87 169.7,866.14 169.32,870.06 168.17,873.83 166.32,877.31 163.82,880.35 159.88,884.29 156.83,886.79 153.36,888.65 149.59,889.79 145.67,890.18 -18.85,890.18 -18.85,1732.56 -18.26,1733.53 -16.83,1736.96 -15.97,1740.58 -15.68,1744.28 -15.68,3376 -15.97,3379.71 -16.83,3383.32 -18.26,3386.76 -18.85,3387.72 -18.85,3515.72 33.9,3568.47 73.27,3607.84 75.76,3610.88 77.62,3614.36 78.77,3618.13 79.15,3622.05 79.15,3916.9 6337.96,3916.9
POE_VC- on G1 (split plane): 1062.58,562.54 1062.58,342.97 1048.78,329.17 1046.28,326.13 1044.43,322.65 1043.28,318.88 1042.9,314.96 1042.9,118.11 1043.28,114.19 1044.43,110.42 1046.28,106.95 1048.78,103.9 1068.47,84.21 1071.51,81.72 1074.99,79.86 1078.76,78.71 1082.68,78.33 4901.57,78.33 4905.5,78.71 4909.27,79.86 4912.74,81.72 4915.79,84.21 4994.53,162.95 4997.02,166 4998.88,169.47 5000.03,173.24 5000.41,177.17 5000.41,483.8 5067.38,550.77 5149.16,550.77 5176.75,523.17 5176.75,472.44 5177.14,468.52 5178.28,464.75 5180.14,461.28 5182.64,458.23 5196.44,444.43 5196.44,20.1 945.29,20.1 945.29,601.91 953.21,609.82 1015.3,609.82
GND on G1 (split plane): -63.07,1823.59 -495.81,1823.98 -495.81,3326.9 -63.07,3326.9
GND on G1 (split plane): -539.6,3388.41 -540.61,3386.76 -542.04,3383.32 -542.91,3379.71 -543.2,3376 -543.2,1744.28 -542.91,1740.58 -542.04,1736.96 -540.61,1733.53 -539.1,1731.05 -539.1,1205.7 -543.6,1201.2 -1145.51,1201.2 -1149.43,1200.81 -1153.2,1199.67 -1156.68,1197.81 -1159.72,1195.31 -1291.63,1063.4 -2030.93,1063.4 -2030.91,1731.87 -2029.89,1733.53 -2028.46,1736.96 -2027.6,1740.58 -2027.31,1744.28 -2027.31,3376 -2027.6,3379.71 -2028.46,3383.32 -2029.89,3386.76 -2030.92,3388.44 -2030.93,3916.91 -539.6,3916.91

## Keep-outs
L2:
  lines w7.87: 258,2488 214,2532 214,3181 395,3362 395,3363 ; 542,3532.33 634.67,3625 1036.41,3625 ; 580,2492 622,2492 802,2672 1974,2672 1981,2665 2798,2665 2846,2617 3052,2617 3099,2664 3099,2731 2995,2835 2995,2880 3002,2887 3002,2912 2986,2928 699,2928 678,2949 678,3139.48 886.52,3348 1551.99,3348 1574.99,3371 3008,3371 3034,3397 3034,3419 ; 1309.96,3601.38 1329.38,3601.38 1373.67,3645.67 1610.02,3645.67 2175.33,3645.67 2240,3581 ; 2497,3586 2856,3586 3031,3586 3052,3565 3052,3455
BOT:
  lines w7.87: 2727,2107 2741,2093 2741,927.06 2885.26,782.81 2885.26,728.74 3035,579 3097,579 3139,621 3155.18,637.18 3155.18,727.7 3097,785.89 3097,3556.63 3054.93,3598.7 2849.8,3598.7 2765.75,3514.64 2765.75,2896.75 2727,2858 2727,2107
KeepOutLayer:
  lines w3.94: 59.06,98.43 1023.62,98.43 ; 59.06,3858.27 6358.27,3858.27 6358.27,121.27 ; 1139,98.42 4821,98.42 ; 4960.63,98.43 6358.27,98.43
  lines w10: 6321.26,3352.92 cw(c6245.7,3353.73) 6321.26,3353.73

## Other copper
TOP:
  rectangle net SW2_3: 2026.85,2629.47 2035,2645.43
  rectangle net SW2_2: 2029,1930 2036,1939
  rectangle net SW2_1: 2021,1232 2035,1241
  rectangle net SW2_4: 2025,3328 2035,3339
  rectangle net LVDS0_P: 5883,2176 5899,2189
  rectangle net LVDS0_N: 5881,2222 5899,2236
  rectangle net NetIC19_6: 5577,2177 5597,2192
  rectangle net NetIC32_2: 5590,1273 5619,1292
  rectangle net NetIC32_3: 5592,1222 5621,1243
  rectangle net LVDS3_N: 5907,1614 5925,1630
  rectangle net LVDS4_P: 5871.76,1491.22 5908.83,1514.05
  rectangle net LVDS4_N: 5869.69,1542.94 5905.03,1564.79
  rectangle net P12V0: 4287,151 4388,187
L2:
  rectangle net P12V0: 4286.79,143 4392,187
BOT:
  rectangle net GND: 4099.81,3651.93 4178.55,3735.12
  rectangle net GND: 1859,1042 2118,1154
  rectangle net GND: 1858,1740 2117,1852
  rectangle net GND: 1857,2440 2116,2552
  rectangle net GND: 1858,3138 2117,3250
  rectangle net LVDS0_N: 5881,2222 5900,2237
  rectangle net LVDS0_P: 5880,2174 5899,2192
  rectangle net LVDS4_N: 5883,1547 5898,1562
  rectangle net LVDS4_P: 5880,1496 5898,1512
  rectangle net NetIC32_3: 5605,1223 5626,1241
G1 (plane layer: these items are gaps in the copper):
  rectangle: 569.88,866.14 625.11,926.18
  lines w40: 925.2,0 925.2,610.24 944.88,629.92 1023.62,629.92 1082.68,570.87 1082.68,334.65 1062.99,314.96 1062.99,118.11 1082.68,98.43 4901.57,98.43 4980.31,177.17 4980.31,492.13 5059.06,570.87 5157.48,570.87 5196.85,531.5 5196.85,472.44 5216.54,452.76 5216.54,0
  lines w47.24: -2051,1744.28 -2051,3376 ; -519.5,1744.28 -519.5,3376 ; -39.37,1744.28 -39.37,3376

## Silkscreen, mask and mechanical layers (free items; w line width, h text height)
TopOverlay:
  drawing of 1254 lines, arcs and shapes, not listed
  text "GND" at -2016.67,3848.29 h39.37
  text "WUT ISE / CTI 2022" at 3730.32,3848.43 h40
  text "SENS7" at -1867.13,3831.29 h47.24
  text "Thermostat 8CH v1.1" at 2559.06,3818.9 h60
  text "SENS6" at -1572.29,3817.82 h47.24
  text "+12V" at 5963.52,3591.14 h40
  text "GND" at -2007.78,3378.23 h39.37
  text "DIN" at 4140.54,3365.72 h39.37
  text "clk" at 3820.06,3349.15 h39.37
  text "SENS5" at -1867.13,3329.82 h47.24
  text "SENS4" at -1575.29,3329.82 h47.24
  text "CS3" at 3810.85,3275.85 h39.37
  text "DIN" at 2661.37,3238.19 h39.37
  text "DOUT" at 4132.36,3233.24 h39.37
  text "CLK" at 2657.31,3173.32 h39.37
  text "SYNC" at 2662.6,3116.38 h39.37
  text "MAXV" at 2661.37,3054.37 h39.37
  text "BOOT" at 5779.53,3048.32 h39.37 r270
  text "UART" at 5517,3013.39 h39.37
  text "MAXIP" at 2662.6,3002.14 h39.37
  text "GND" at 5558.51,2953.03 h39.37 r90
  text "MAXIPN" at 2662.6,2949.45 h39.37
  text "GND" at -2021.56,2885.35 h39.37
  text "TX" at 5483,2876.97 h39.37
  text "SENS3" at -1865.13,2825.82 h47.24
  text "SENS2" at -1573.29,2825.82 h47.24
  text "RX" at 5478.11,2784.74 h39.37
  text "CPU JTAG" at 6181,2721 h39.37
  text "3V3" at 5545,2627.95 h39.37 r90
  text "clk" at 3822.07,2618.11 h39.37
  text "DIN" at 4128.73,2618.11 h39.37
  text "DOUT" at 4138.08,2550 h39.37
  text "DIN" at 2661.37,2549.21 h39.37
  text "CS2" at 3810.85,2547.5 h39.37
  text "EEM Downstream" at 5943.17,2525.59 h39.37
  text "CLK" at 2657.31,2484.34 h39.37
  text "/ Upstream" at 5935.29,2441.74 h39.37
  text "SYNC" at 2662.6,2427.4 h39.37
  text "GND" at -2002.89,2384.34 h39.37
  text "MAXV" at 2661.37,2365.4 h39.37
  text "SENS1" at -1860.83,2343 h47.24
  text "SENS0" at -1569,2343 h47.24
  text "MAXIP" at 2662.6,2313.17 h39.37
  text "MAXIPN" at 2662.6,2260.48 h39.37
  text "clk" at 3826.22,1891.73 h39.37
  text "DIN" at 4138.08,1891.73 h39.37
  text "DIN" at 2651.76,1845.6 h39.37
  text "DOUT" at 4138.08,1822.82 h39.37
  text "CS1" at 3827.86,1819.16 h39.37
  text "CLK" at 2651.76,1781.5 h39.37
  text "SYNC" at 2658.53,1726.66 h39.37
  text "MAXV" at 2657.31,1675.13 h39.37
  text "MAXIP" at 2658.53,1620.01 h39.37
  text "TEC3" at -1993.84,1566.46 h60
  text "MAXIPN" at 2661.37,1560.78 h39.37
  text "GND" at -1703.83,1556.46 h39.37
  text "TEC2" at -1540,1554 h60
  text "DIN" at 2664.26,1209.78 h39.37
  text "clk" at 3820.06,1163.4 h39.37
  text "DIN" at 4138.08,1163.4 h39.37
  text "CLK" at 2665.73,1144.42 h39.37
  text "TEC1" at -1974.68,1099 h60
  text "GND" at -1689.86,1099 h39.37
  text "TEC0" at -1523.79,1099 h60
  text "CS0" at 3814.19,1090.81 h39.37
  text "DOUT" at 4138.08,1090.81 h39.37
  text "SYNC" at 2671.02,1079.06 h39.37
  text "MAXV" at 2669.79,1013.71 h39.37
  text "MAXIP" at 2671.02,948.35 h39.37
  text "MAXIPN" at 2671.02,882.99 h39.37
  text "GND" at 2788.83,820.62 h27.56
  text "SDA" at 5834.5,615.76 h39.37
  text "P3V3MP" at 2590.16,613.71 h27.56 r90
  text "P3V3" at 2678.68,613.71 h27.56 r90
  text "P5V0A" at 2767.2,613.71 h27.56 r90
  text "P5V0" at 2855.72,613.71 h27.56 r90
  text "P3V0ref" at 2944.23,613.71 h27.56 r90
  text "SCL" at 5703.84,612.82 h39.37
  text "FAN" at 3791.44,333.93 h39.37 r90
  text "P12V0" at 4246.92,300.81 h27.56 r90
  text "P5V0" at 2583.15,209.03 h39.37 r90
  text "T" at 3823.4,199.73 h39.37
  text "P" at 3933.63,199.73 h39.37
  text "G" at 3987.77,199.73 h39.37
  text "OVERTEMP" at 3722.66,98.42 h39.37
BottomOverlay:
  drawing of 1237 lines, arcs and shapes, not listed
  text "WUT ISE /CTI 2022" at 1309.06,3848.43 h40
  text "Thermostat 8CH v1.1" at 2470.47,3838.58 h60
  text "WUT ISE 2021" at -811.85,2380.91 h40 r270
  text "Thermostat 8CH /  breakout board v1.0" at -751.81,2086.61 h60 r270
BottomSolder:
  rectangle: 1856,1039 2120,1156
  rectangle: 1856,1738 2120,1855
  rectangle: 1856,2437 2120,2554
  rectangle: 1856,3135 2120,3252
  rectangle: 4102,3656 4175,3730
Mechanical1:
  drawing of 326 lines, arcs and shapes, not listed
  text "Layer" at 6716.5,2940.04 h60
  text "Name" at 7126.42,2940.04 h60
  text "Material" at 7996.18,2940.04 h60
  text "Thickness" at 8855.95,2940.04 h60
  text "Constant" at 9505.78,2940.04 h60
  text "Board Layer Stack" at 10075.64,2940.04 h60
  text "TopOverlay" at 7126.42,2820.04 h60
  text "TopSolder" at 7126.42,2700.04 h60
  text "Solder Resist" at 7996.18,2700.04 h60
  text "0,010mm" at 8855.95,2700.04 h60
  text "3.5" at 9505.78,2700.04 h60
  text "1" at 6716.5,2580.04 h60
  text "TOP" at 7126.42,2580.04 h60
  text "0,035mm" at 8855.95,2580.04 h60
  text "Dielectric1" at 7126.42,2460.04 h60
  text "FR-4" at 7996.18,2460.04 h60
  text "0,180mm" at 8855.95,2460.04 h60
  text "4.8" at 9505.78,2460.04 h60
  text "2" at 6716.5,2340.04 h60
  text "G1" at 7126.42,2340.04 h60
  text "CF-004" at 7996.18,2340.04 h60
  text "0,035mm" at 8855.95,2340.04 h60
  text "Dielectric2" at 7126.42,2220.04 h60
  text "Core-042" at 7996.18,2220.04 h60
  text "1,050mm" at 8855.95,2220.04 h60
  text "4.6" at 9505.78,2220.04 h60
  text "3" at 6716.5,2100.04 h60
  text "L2" at 7126.42,2100.04 h60
  text "CF-004" at 7996.18,2100.04 h60
  text "0,035mm" at 8855.95,2100.04 h60
  text "Dielectric3" at 7126.42,1980.04 h60
  text "FR-4" at 7996.18,1980.04 h60
  text "0,180mm" at 8855.95,1980.04 h60
  text "4.8" at 9505.78,1980.04 h60
  text "4" at 6716.5,1860.04 h60
  text "BOT" at 7126.42,1860.04 h60
  text "0,035mm" at 8855.95,1860.04 h60
  text "BottomSolder" at 7126.42,1740.04 h60
  text "Solder Resist" at 7996.18,1740.04 h60
  text "0,010mm" at 8855.95,1740.04 h60
  text "3.5" at 9505.78,1740.04 h60
  text "BottomOverlay" at 7126.42,1620.04 h60
V Cut:
  lines w3.94: -2111.4,3418.49 -2073.82,3380.91 ; -2091.91,3380.91 -2073.82,3380.91 ; -2073.82,3399 -2073.82,3380.91 ; -449.8,3417.7 -449.8,3399.61 ; -431.71,3399.61 -449.8,3399.61 ; -412.22,3437.19 -449.8,3399.61 ; -173.41,3433.25 -135.83,3395.67 ; -153.92,3395.67 -135.83,3395.67 ; -135.83,3413.76 -135.83,3395.67 ; 152.56,4429.13 226.38,4429.13 ; 152.56,4602.36 226.38,4602.36
  lines w7.87: -9.34,4148.72 152.56,4429.13 ; -9.34,4882.78 152.56,4602.36 ; 314.46,4148.72 152.56,4429.13 ; 314.46,4882.78 152.56,4602.36 ; 152.56,4429.13 152.56,4602.36
  lines w47.24: -2051.02,1803.35 -2051.02,3340.79 ; -519.5,1794.83 -519.5,3347 ; -39.37,1803.89 -39.36,3341.99
  text "V-cut layer" at -2136.81,4474.06 h196.85
  text "Core / 0.3mm" at 205.71,4425.2 h60
  text "V-cut" at -383.86,3441.13 h39.37
  text "V-cut" at -2321.85,3426.36 h39.37

## Text inside footprints (layer, text, board x,y; h text height)
IC3: TopOverlay "1" at 4618.51,222.01 h47.24 r90; Mechanical14 "1" at 4618.51,222.01 h47.24 r90
IC15: Mechanical13 "*" at 1335.69,121.85 h50 r90
IC34: Mechanical14 "1" at 2859.91,406.91 h15.75 r270; Mechanical14 "2" at 2859.91,359.67 h15.75 r270; Mechanical14 "3" at 2859.91,310.06 h15.75 r270; Mechanical14 "4" at 2859.91,260.46 h15.75 r270; Mechanical14 "5" at 2859.91,210.06 h15.75 r270; Mechanical14 "E" at 2614.24,454.16 h15.75 r270; Mechanical14 "D" at 2664.24,454.16 h15.75 r270; Mechanical14 "C" at 2714.24,454.16 h15.75 r270; Mechanical14 "B" at 2764.24,454.16 h15.75 r270; Mechanical14 "A" at 2814.24,454.16 h15.75 r270
IC35: Mechanical14 "1" at 3261.04,406.91 h15.75 r270; Mechanical14 "2" at 3261.04,359.67 h15.75 r270; Mechanical14 "3" at 3261.04,310.06 h15.75 r270; Mechanical14 "4" at 3261.04,260.46 h15.75 r270; Mechanical14 "5" at 3261.04,210.06 h15.75 r270; Mechanical14 "E" at 3015.37,454.16 h15.75 r270; Mechanical14 "D" at 3065.37,454.16 h15.75 r270; Mechanical14 "C" at 3115.37,454.16 h15.75 r270; Mechanical14 "B" at 3165.37,454.16 h15.75 r270; Mechanical14 "A" at 3215.37,454.16 h15.75 r270
IC37: Mechanical14 "1" at 3660.15,406.91 h15.75 r270; Mechanical14 "2" at 3660.15,359.67 h15.75 r270; Mechanical14 "3" at 3660.15,310.06 h15.75 r270; Mechanical14 "4" at 3660.15,260.46 h15.75 r270; Mechanical14 "5" at 3660.15,210.06 h15.75 r270; Mechanical14 "E" at 3414.48,454.16 h15.75 r270; Mechanical14 "D" at 3464.48,454.16 h15.75 r270; Mechanical14 "C" at 3514.48,454.16 h15.75 r270; Mechanical14 "B" at 3564.48,454.16 h15.75 r270; Mechanical14 "A" at 3614.48,454.16 h15.75 r270
J2: TopOverlay "31" at 334.26,1825.48 h47.24 r90; TopOverlay "44" at 334.26,3179.81 h47.24 r90; TopOverlay "30" at 436.62,3227.06 h47.24 r90; TopOverlay "1" at 535.05,1872.72 h47.24 r90; Mechanical14 "31" at 334.26,1825.48 h47.24 r90; Mechanical14 "44" at 334.26,3179.81 h47.24 r90; Mechanical14 "30" at 436.62,3227.06 h47.24 r90; Mechanical14 "1" at 535.05,1872.72 h47.24 r90
J5: TopOverlay "1" at 5920.9,3529.91 h47.24 r270; Mechanical14 "1" at 5920.9,3529.91 h47.24 r270
J6: TopOverlay "1" at 4069,319.56 h39.37 r180; Mechanical14 "1" at 4069,319.56 h39.37 r180
J12: TopOverlay "30" at 6242.18,821.79 h40 r270; Mechanical14 "30" at 6242.18,821.79 h40 r270
J30: TopOverlay "1" at -1100.8,1932.61 h47.24 r270; TopOverlay "30" at -998.44,3349.93 h47.24 r270; TopOverlay "44" at -896.08,3310.56 h47.24 r270; TopOverlay "31" at -900.01,1936.54 h47.24 r270; TopOverlay "15" at -1100.8,3389.3 h47.24 r270; Mechanical14 "1" at -1100.8,1932.61 h47.24 r270; Mechanical14 "30" at -998.44,3349.93 h47.24 r270; Mechanical14 "44" at -896.08,3310.56 h47.24 r270; Mechanical14 "31" at -900.01,1936.54 h47.24 r270; Mechanical14 "15" at -1100.8,3389.3 h47.24 r270; Mechanical8 "PCB Edge" at -596.86,2739.69 h39.37 r270
J32: TopOverlay "5" at -1350.07,1471.65 h39.37; TopOverlay "4" at -1500.07,1471.65 h39.37; TopOverlay "3" at -1650.07,1471.65 h39.37; TopOverlay "2" at -1800.07,1471.65 h39.37; TopOverlay "1" at -1950.07,1471.65 h39.37
J34: TopOverlay "5" at -1355.25,1937.77 h39.37; TopOverlay "4" at -1505.25,1937.77 h39.37; TopOverlay "2" at -1805.25,1937.77 h39.37; TopOverlay "1" at -1955.25,1937.77 h39.37
LD11: TopOverlay "A" at 130.64,1194.69 h39.37 r90; TopOverlay "B" at 230.64,1194.69 h39.37 r90; TopOverlay "C" at 330.64,1194.69 h39.37 r90; TopOverlay "D" at 430.64,1194.69 h39.37 r90; TopOverlay "A" at 511.39,1242.72 h39.37; TopOverlay "C" at 511.39,1142.72 h39.37; Mechanical14 "A" at 130.64,1194.69 h39.37 r90; Mechanical14 "B" at 230.64,1194.69 h39.37 r90; Mechanical14 "C" at 330.64,1194.69 h39.37 r90; Mechanical14 "D" at 430.64,1194.69 h39.37 r90; Mechanical14 "C" at 511.39,1142.72 h39.37; Mechanical14 "A" at 511.39,1242.72 h39.37
LD12: TopOverlay "A" at 129.09,1395.69 h39.37 r90; TopOverlay "B" at 229.09,1395.69 h39.37 r90; TopOverlay "C" at 329.09,1395.69 h39.37 r90; TopOverlay "D" at 429.09,1395.69 h39.37 r90; TopOverlay "A" at 509.84,1443.72 h39.37; TopOverlay "C" at 509.84,1343.72 h39.37; Mechanical14 "A" at 129.09,1395.69 h39.37 r90; Mechanical14 "B" at 229.09,1395.69 h39.37 r90; Mechanical14 "C" at 329.09,1395.69 h39.37 r90; Mechanical14 "D" at 429.09,1395.69 h39.37 r90; Mechanical14 "C" at 509.84,1343.72 h39.37; Mechanical14 "A" at 509.84,1443.72 h39.37